# Altium PCB PCB3.PcbDoc (part 3 of 5) (continued)
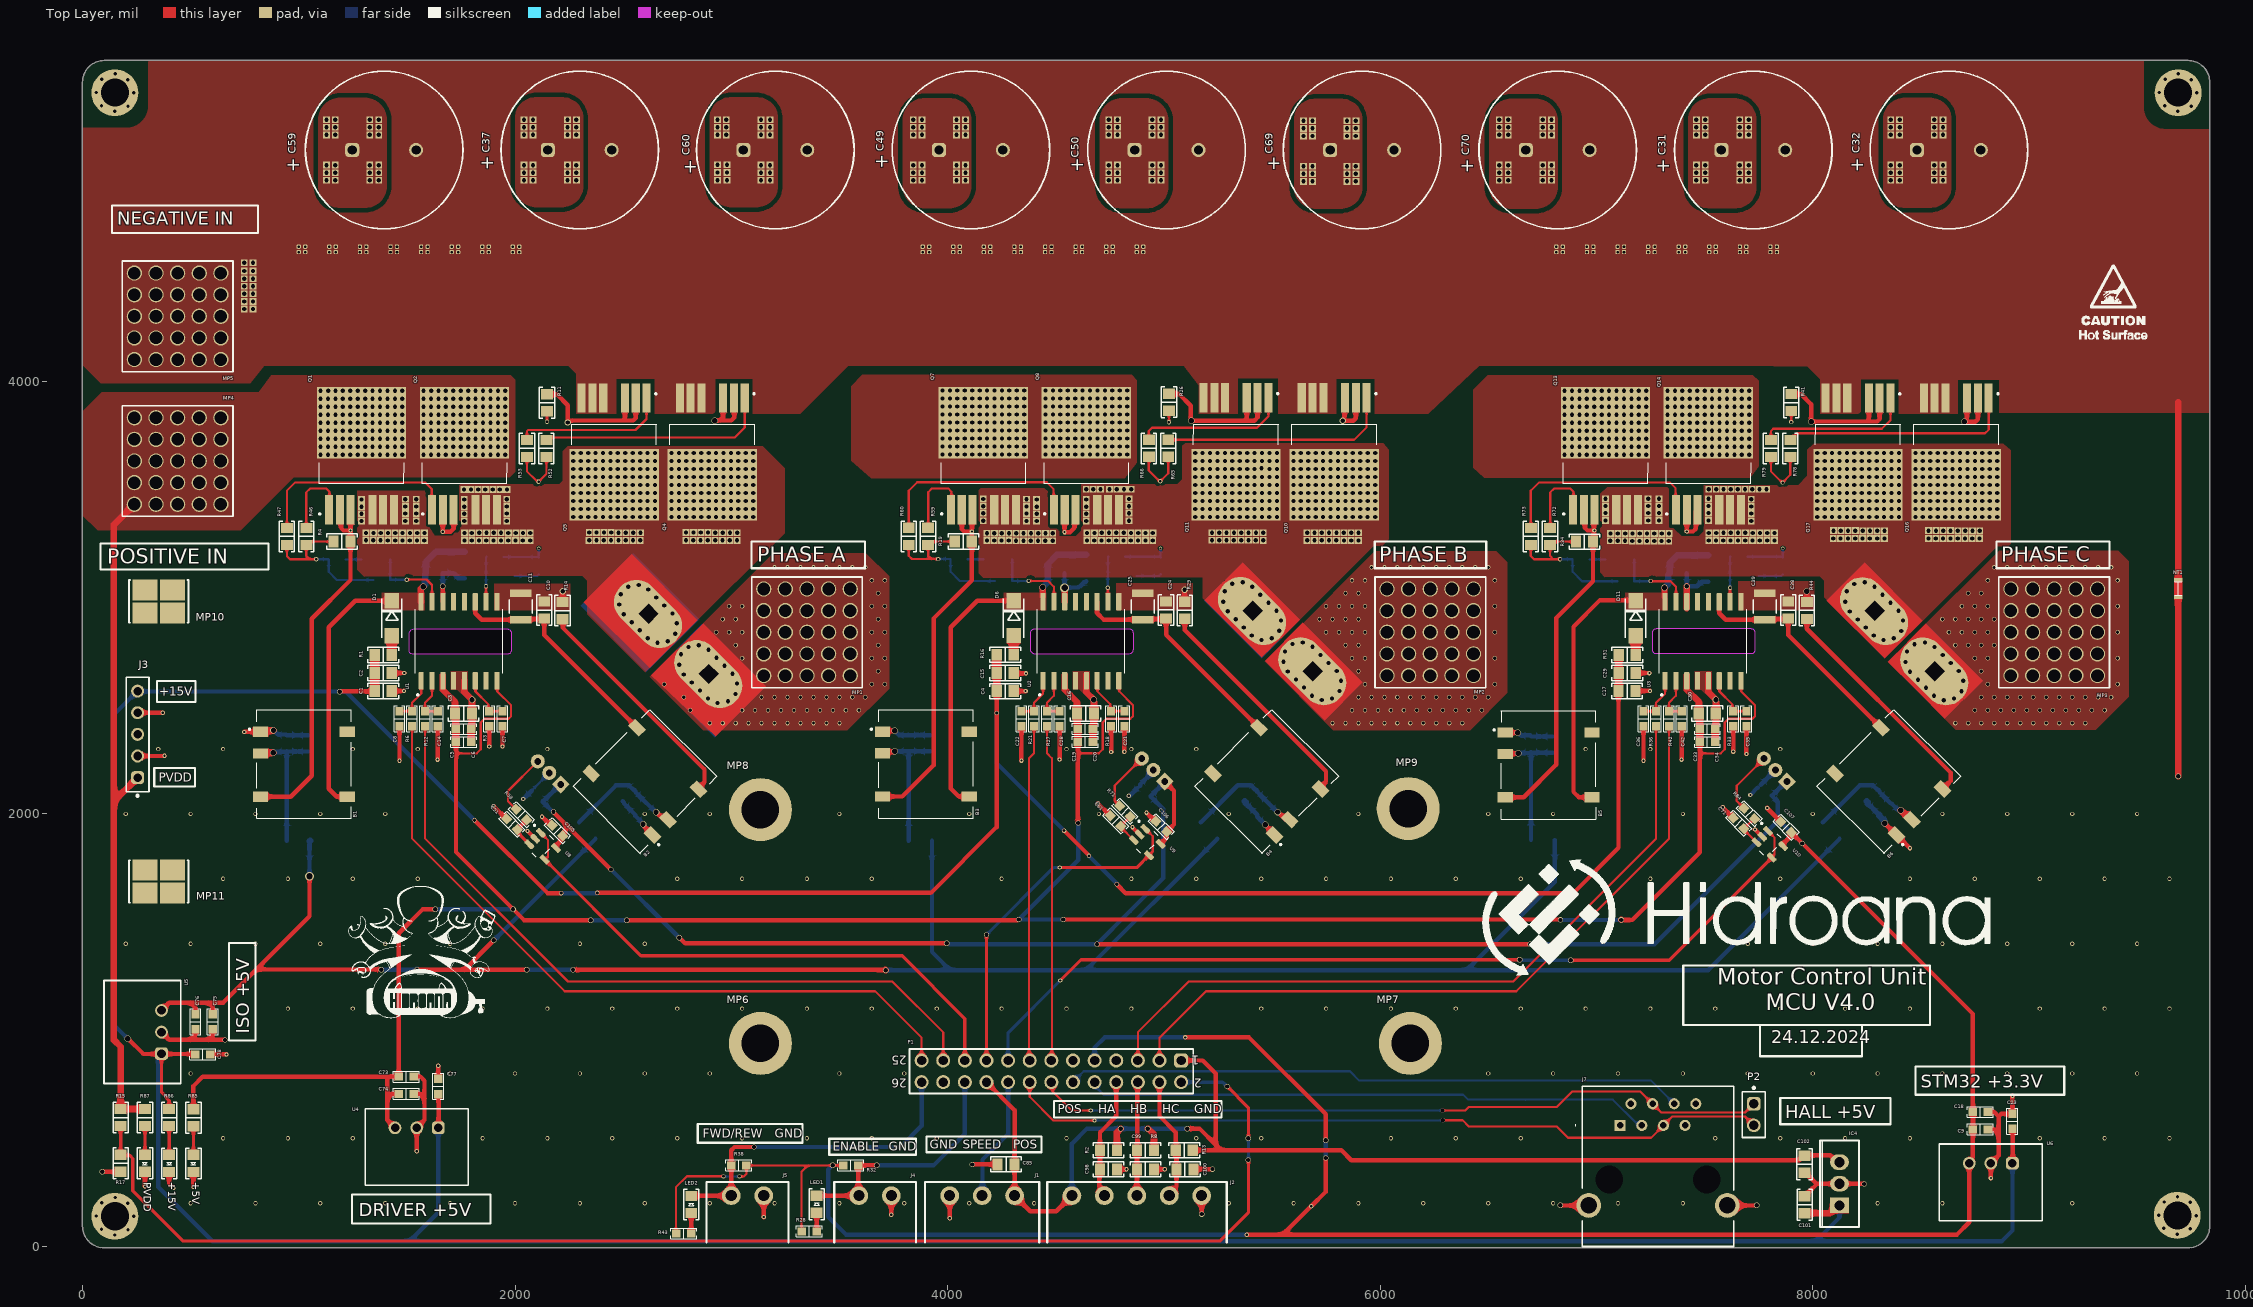
[diagram p0: Top Layer view]
## Nets (pads, with @x,y where several pads share a name; then routed paths per layer and width w, separated by ;. In a path a pad name is that pad's centre, name@x,y a point inside that pad or via, vN(x,y) a via of type N, cw(c..) or ccw(c..) an arc to the next point about the centre after c; other vN are vias at no path point) (continued)
CAN_H: J7.4 P1.14 P2.1 | length 3417.1
  Top Layer w10: P1.14@4480,760 4485.57,754.43 4485.57,718.43 4575,629 v3(4662,629) ; v9(6288,629) 6394,629 6410,645 6817,645 6889,717 7203,717 7300.71,619.29 7687.29,619.29 P2.1@7728,660
  Bottom Layer w10: v3(4662,629) v9(6288,629)
CAN_L: J7.5 P1.16 P2.2 | length 3550.4
  Top Layer w10: P1.16@4380,760 4380,692 4489,583 v3(4680,583) ; v9(6290,584) 6330.94,584 ; 6331.94,584 6381,584 ; 6381.71,583.29 6410,555 6817,555 6869,503 7253,503 J7.5@7310,560 7350.71,600.71 7687.29,600.71 P2.2@7728,560
  Bottom Layer w10: v3(4680,583) 6289,583 v9(6290,584)
COUT_A: C51.2 R58.2 U8.3 | length 154.8
  Top Layer w15: R58.2@2054.28,1972.72 2054.28,1972.22 2010.28,1928.22 2010.28,1915.82 U8.3@2066.62,1859.49
COUT_B: C61.2 R71.2 U9.3 | length 151.8
  Top Layer w10: R71.2@4844.75,1987.72 4801.75,1944.72 C61.2@4801.75,1943.25 4801.75,1938.36 U9.3@4861.62,1878.49
COUT_C: C71.2 R84.2 U10.3 | length 156
  Top Layer w10: R84.2@7731.82,1977.32 7727.57,1977.32 C71.2@7682.32,1932.07 7682.32,1926.78 U10.3@7740.62,1868.49
Current_Sense_A: P1.21 U8.1 U8.4 | length 2581.4
  Top Layer w10: U8.1@2119.51,1912.38 2153,1878.89 2153,1802.46 2140.16,1789.62 U8.4@2136.49,1789.62
  Top Layer w15: U8.4@2141.05,1785.05 2582.11,1344 3790,1344 4080,1054 P1.21@4080,860
Current_Sense_B: P1.19 U9.1 U9.4 | length 1629.8
  Top Layer w10: U9.1@4914.51,1931.38 4949,1896.89 4949,1826.12 U9.4@4931.49,1808.62
  Top Layer w15: P1.19@4180,860 v4(4180,1441) ; v3(4519,1752) 4874.88,1752 U9.4@4931.49,1808.62
  Bottom Layer w15: v4(4180,1441) 4491.9,1752.9 4518.1,1752.9 v3(4519,1752)
Current_Sense_C: P1.17 U10.1 U10.4 | length 4140.7
  Top Layer w10: U10.1@7793.51,1921.38 7824.27,1890.62 7824.27,1814.19 7810.49,1800.41 U10.4@7810.49,1798.62 U10.4@7811.55,1797.55
  Top Layer w15: v3(4521,1230) 4617,1326 v4(6645,1326) ; v4(6882,1323) 7337,1323 U10.4@7811.55,1797.55
  Bottom Layer w15: P1.17@4280,860 4280,989 v3(4521,1230) ; v4(6645,1326) 6646.27,1326 6649.27,1323 v4(6882,1323)
ENABLE: J4.1 LED1.2 P1.22 R32.1 | length 1130.1
  Top Layer w20: LED1.2@3395,235 J4.1@3590,235 3587.5,237.5 3587.5,372.5 R32.1@3585,375 ; R32.1@3587,375 v4(3672,375)
  Bottom Layer w20: v4(3672,375) 3935,375 4080,520 P1.22@4080,760
FWD/REV: J5.1 LED2.2 P1.26 R38.1 | length 1524.3
  Top Layer w20: LED2.2@2815,233.74 2815.63,234.37 2999.37,234.37 J5.1@3000,235 3000,380 3000,445 3015,460 v4(3105,460)
  Bottom Layer w20: v4(3105,460) 3782,460 3880,558 P1.26@3880,760
GND: +5V.2 +15V.2 B1.1 B2.1 B3.1 B4.1 B5.1 B6.1 C1.1 C2.1 C3.1 C4.1 C5.1 C6.1 C7.2 C8.1 C9.1 C14.1 C15.1 C16.1 C17.1 C18.1 C19.1 C20.1 C21.2 C22.1 C23.1 C28.1 C29.1 C30.1 C33.1 C34.1 C35.2 C36.1 C42.1 C51.1 C52.2 C61.1 C62.2 C71.1 C72.2 C73.1 C74.1 C75.1 C76.1 C77.1 C78.1 C85.1 C86.1 C87.1 C88.1 C89.1 C90.1 C91.1 C92.1 C93.1 C94.1 C95.1 C96.1 C97.1 C98.1 C99.1 C100.1 C101.1 C102.1 C105.2 C106.2 C107.2 IC1.2 IC2.2 IC3.2 IC4.2 J1.1 J2.5 J3.2 J3.4 J4.2 J5.2 J7.MH3 J7.MH4 NT1.2 P1.7 P1.11 P1.24 PVDD.2 R3.2 R17.2 R18.2 R33.2 U1.4 U1.5 U2.4 U2.5 U3.4 U3.5 U4.2 U5.2 U6.2 U8.2 U9.2 U10.2 | length 9771.1
  Top Layer w20: v4(92,346) 92.39,345.61 176.15,345.61 R17.2@176.54,345.22 ; J3.4@255,2268 378,2268 v3(379,2269) ; J3.2@255,2468 v3(371,2468) ; PVDD.2@288.7,345.22 288.7,278.3 v3(289,278) ; U5.2@365.5,991.46 401.58,955.37 500.44,955.37 ; +15V.2@400.85,345.12 400.85,291.15 v3(421,271) ; v3(513,275) +5V.2@513,345.12 ; C76.1@522.44,1008.37 C76.1@522.44,1004.54 522.44,977.37 500.44,955.37 ; C78.1@591.46,888.54 665.46,888.54 v3(666,888) ; C75.1@602.44,1004.54 602.44,975.54 582.27,955.37 ; v4(659,955) 658.63,955.37 582.27,955.37 ; v3(748,2379) 749,2380 B1.1@823.36,2380 ; C1.1@1430.32,2568.46 1486.46,2568.46 v3(1487,2569) ; C2.1@1430.32,2651.46 1487.46,2651.46 v3(1488,2652) ; v3(1466,2246) C8.1@1466,2405 ; C74.1@1528.43,705.58 C74.1@1532.26,705.58 1559.43,705.58 1581.43,683.58 ; C73.1@1528.43,785.58 C73.1@1532.26,785.58 1562.43,785.58 1581.43,766.58 1581.43,683.58 ; v3(1545.35,440.37) U4.2@1545.35,548.64 1581.43,584.72 1581.43,683.58 ; v3(1642,2251) 1643,2252 C14.1@1643,2405 ; C77.1@1645,775 v3(1645,836) ; v3(1881,2312) R3.2@1881,2405 ; v3(1901,2037) C51.1@1960.79,1977.21 ; v3(1942,2312) C7.2@1942,2405 ; v3(2058,1921) U8.2@2093.06,1885.94 ; v3(2125,1987) 2164.25,1947.75 C105.2@2171.25,1947.75 ; v6(2592,1952) 2593.91,1950.09 2593.91,1945.09 2636.29,1902.71 B2.1@2636.29,1902.29 ; v3(3150,136) J5.2@3150,235 ; B3.1@3702.85,2384.5 v6(3755.64,2384.5) ; v3(3740,147) J4.2@3740,235 ; v3(4010,131) J1.1@4010,235 ; v4(4114,379) 4115,380 C85.1@4231.26,380 ; C15.1@4305.82,2651.96 4307.78,2650 v3(4363,2650) ; C16.1@4306.23,2567.69 4360.69,2567.69 v3(4361,2568) ; v3(4341.5,2246.5) C22.1@4341.5,2405.5 ; v3@4518.5,2252.5 C28.1@4518.5,2405.5 ; v3(4696,2049) C61.1@4752.25,1992.75 ; v3(4756.5,2286.5) R18.2@4756.5,2405.5 ; C98.1@4783.32,357 v3(4827,357) ; v3(4817.5,2287.5) C21.2@4817.5,2405.5 ; v3(4855,1939) 4855,1938 U9.2@4888.06,1904.94 ; v3(4920,2006) C106.2@4959.25,1966.75 ; C99.1@4954.37,357 v3(5004,357) ; C100.1@5136.95,357 5137.45,357.5 5224.5,357.5 v4(5225,358) ; v4(5175,150) J2.5@5175,235 ; v6(5469,1950) 5469,1947.79 5510.21,1906.58 B4.1@5510.21,1902.79 ; B6.1@6578.21,2377 6579.21,2376 6636,2376 v6(6637,2375) ; v4(6833,190) 6833.08,189.92 J7.MH3@6965.12,189.92 ; C30.1@7181.37,2569 v3(7248,2569) ; C29.1@7182.05,2651.46 7244.54,2651.46 v3(7245,2651) ; v3(7217.72,2246) C36.1@7217.72,2405 ; v3@7394.72,2252 C42.1@7394.72,2405 ; v3(7584,2031) 7584,2030.39 C71.1@7632.82,1981.57 ; J7.MH4@7604.88,189.92 7739.92,189.92 v4(7741,191) ; R33.2@7632.72,2405 7632.72,2288.28 v3(7633,2288) ; C35.2@7693.72,2405 7693.72,2277.28 v3(7694,2277) ; v3(7733,1928) 7734,1928 U10.2@7767.06,1894.94 ; v3(7790,2028) 7790,2026 C107.2@7859.46,1956.54 ; C102.1@7963,340.63 7966.94,340.63 8017.57,290 ; C101.1@7966.94,232.74 7980.56,246.36 7980.56,250.3 8017.57,287.31 8017.57,290 ; v4(8238,289) 8237,290 IC4.2@8124,290 8017.57,290 ; v6(8333.72,1957) B5.1@8388.01,1902.71 8448.72,1842 v3(8450,1842) ; C9.1@8807,541.86 C9.1@8810.83,541.86 8838,541.86 8860,519.86 ; C18.1@8810.83,621.86 8839.83,621.86 8860,601.69 ; v3(8823.91,316.02) U6.2@8823.91,384.91 8860,421 8860,519.86 ; v3(8924,697) 8923.6,696.6 C23.1@8923.6,613.33 8871.65,613.33 8860,601.69 ; 500.44,955.37 582.27,955.37 ; 8860,519.86 8860,601.69
  Top Layer w30: B1.1@823.36,2380 828.31,2384.95 881.1,2384.95 v6(883.14,2387) ; U1.5@1766.23,2615.86 1766.23,2562.77 v6(1801.37,2527.63) C3.1@1801.37,2464 1801.37,2396.7 1797.67,2393 C5.1@1797,2393 C6.1@1797,2333 ; B3.1@3695.85,2377.5 B3.1@3698.85,2380.5 B3.1@3702.85,2384.5 ; U2.5@4641.73,2643.5 4641.73,2563.27 v6(4676.87,2528.13) 4676.87,2397.2 4673.17,2393.5 C19.1@4672.5,2393.5 C20.1@4672.5,2333.5 ; U3.5@7517.96,2643 7517.96,2562.77 v6(7553.09,2527.63) 7553.09,2396.7 7549.39,2393 C33.1@7548.72,2393 C34.1@7548.72,2333 ; v4(9690,2174) NT1.2@9690,3003.26
  Bottom Layer w10: C52.2@2076.72,2108.28 IC1.2@2158.43,2189.98
  Bottom Layer w20: v6(883.14,2387) 903.02,2367.12 942.43,2367.12 C87.1@945.14,2364.4 945.64,2363.9 1043.64,2363.9 C86.1@1044.14,2363.4 ; v3(2038,2069) 2038.5,2069 C52.2@2077.25,2107.75 ; C89.1@2498.55,2058.55 2504.12,2052.99 2504.12,2047.99 C88.1@2556.55,1995.55 2556.55,1990.15 2592,1954.71 v6(2592,1952) ; v6(3755.64,2384.5) 3775.52,2364.62 C91.1@3814.93,2364.62 ; C91.1@3817.93,2367.62 C91.1@3820.64,2364.9 3821.14,2364.4 3919.14,2364.4 C90.1@3919.64,2363.9 ; v3(4838,2084) 4842,2084 C62.2@4877.6,2119.6 ; C62.2@4890.25,2129.75 4890.25,2135.98 4951.34,2197.07 IC2.2@4951.34,2203.3 ; C93.1@5379.62,2048.49 C92.1@5432.05,1996.05 5432.05,1986.95 v6(5469,1950) ; v6(6637,2375) 6639.71,2375 6651.32,2363.39 6694.28,2363.39 C96.1@6696.87,2360.8 6699.33,2358.33 C97.1@6797.33,2358.33 ; v3(7712,2088) 7745.69,2121.69 ; C72.2@7760.25,2134.75 7760.25,2135.12 7827.56,2202.43 IC3.2@7827.56,2202.8 ; C94.1@8255.84,2047.98 C95.1@8308.28,1995.55
  Bottom Layer w30: C93.1@5374.05,2059.05 5379.62,2053.49 C93.1@5379.62,2048.49 ; C94.1@8250.28,2058.55 8255.84,2052.98 C94.1@8255.84,2047.98 ; C95.1@8308.28,1995.55 8308.28,1991.71 8332.72,1967.26 8332.72,1957 v6@8332.72,1956
  other v2: 500,200 800,200 1100,200 1400,200 1700,200 2000,200 2300,200 2600,200 2900,200 3200,200 3500,200 3800,200 4100,200 4400,200 5300,200 5600,200 5900,200 6200,200 6500,200 6800,200 7100,200 7400,200 8300,200 8600,200 9200,200 650,500 950,500 1250,500 1850,500 2150,500 2450,500 2750,500 3050,500 3350,500 3650,500 3950,500 4550,500 5150,500 5450,500 6050,500 6350,500 6650,500 7550,500 7850,500 8150,500 8450,500 9050,500 9350,500 9650,500 500,800 1700,800 2000,800 2300,800 2600,800 2900,800 3500,800 3800,800 6500,800 6800,800 7100,800 7400,800 7700,800 8000,800 8300,800 8600,800 8900,800 9200,800 9500,800 950,1100 1250,1100 1550,1100 1850,1100 2150,1100 2450,1100 2750,1100 3050,1100 3350,1100 3650,1100 3950,1100 4250,1100 4550,1100 4850,1100 5450,1100 5750,1100 6050,1100 6350,1100 6650,1100 6950,1100 7250,1100 7550,1100 7850,1100 8150,1100 8450,1100 9050,1100 9350,1100 9650,1100 200,1400 500,1400 800,1400 1100,1400 1400,1400 1700,1400 2300,1400 2600,1400 7700,1400 8000,1400 8300,1400 8600,1400 8900,1400 9200,1400 9500,1400 650,1700 950,1700 1250,1700 1550,1700 2750,1700 3050,1700 3350,1700 3650,1700 4250,1700 4850,1700 5150,1700 5450,1700 5750,1700 6050,1700 6350,1700 6650,1700 7250,1700 7850,1700 8450,1700 8750,1700 9050,1700 9350,1700 9650,1700 200,2000 500,2000 800,2000 1100,2000 1400,2000 2600,2000 2900,2000 3500,2000 4100,2000 4700,2000 5300,2000 5900,2000 6500,2000 6800,2000 7400,2000 8000,2000 8600,2000 8900,2000 9200,2000 9500,2000 350,2300 650,2300 1250,2300 1550,2300 2150,2300 4550,2300 4850,2300 5150,2300 6950,2300 7250,2300 7850,2300
  other v3: 7393.72,2251 4517.5,2251.5
HA: C98.2 J2.2 P1.8 R2.2 | length 565.9
  Top Layer w20: C98.2@4701.79,359 4701.79,276.23 4725,253.03 J2.2@4725,235 ; C98.2@4704.58,359 R2.2@4704.58,445.14 4704.58,527.52 4780,602.94 P1.8@4780,760
HB: C99.2 J2.3 P1.6 R8.2 | length 527.1
  Top Layer w20: J2.3@4875,235 4875.31,235.32 4875.31,356.68 C99.2@4875.63,357 4875.63,443.14 4877.81,445.33 4877.81,757.82 P1.6@4880,760
HC: C100.2 J2.4 P1.4 R13.2 | length 567
  Top Layer w20: P1.4@4980,760 4980,602.94 5055.42,527.52 R13.2@5055.42,445.14 5058.21,442.35 C100.2@5058.21,357 5058.21,276.23 5035,253.03 J2.4@5035,235
ISO_5V: C75.2 C76.2 L2.1 L3.1 L4.1 L5.1 L6.1 L7.1 U5.3 | length 12031.4
  Top Layer w20: U5.3@365.5,1091.46 401.58,1127.54 500.44,1127.54 ; C76.2@522.44,1074.54 522.44,1105.54 500.44,1127.54 ; C75.2@602.44,1075.53 602.44,1108.54 583.44,1127.54 ; v10(1050,1712) 1050,1527 804,1281 ; v4(1381,1280) 1380,1281 804,1281 ; v4(1547,1279) 1765,1279 ; v4(1902,1416) 1765,1279 ; v4(2055,1279) 1765,1279 ; v4(2268,1279) v4@3713,1279 ; 500.44,1127.54 583.44,1127.54 ; 583.44,1127.54 650.54,1127.54 804,1281
  Top Layer w30: v4@3713,1279 v4(3714,1278)
  Int1 (GND) w30: v4(1381,1280) v4@1382,1279
  Bottom Layer w20: v10(1050,1712) L2.1@1050,1873.72 ; v4@1382,1279 1382.04,1279.04 1385.49,1279.04 1385.54,1279 v4(1547,1279) ; v4(1902,1416) 1903.56,1416 L3.1@2372.28,1884.72 ; v4(2055,1279) v4(2268,1279) ; v4(3714,1278) 4012,1278 ; L4.1@3927.78,1876.5 3927.78,1362.22 4012,1278 ; L5.1@5247.78,1885.22 4640.56,1278 ; L7.1@6807.7,1879.57 6808,1879.27 6808,1685 6401,1278 ; L6.1@8124,1884.72 7517.28,1278 6401,1278 ; 4012,1278 4640.56,1278 ; 4640.56,1278 6401,1278
  Bottom Layer w30: L2.1@1050,1873.72 L2.1@1052.28,1876 ; v4@1546,1280 v4(1547,1279)
ISO_+12_A_H: B1.5 C12.1 C13.2 D1.K U1.16 | length 1582.3
  Top Layer w20: B1.5@1224.93,2080 1176,2080 1139,2117 1139,2863 1261.71,2985.71 D1.K@1430,2985.71
  Top Layer w30: U1.16@1566.23,2981.22 1565.12,2982.34 1565.12,3041.12 v6(1575,3051)
  Bottom Layer w30: v6(1575,3051) 1584.9,3060.9 1584.9,3110.27 C12.1@1587.63,3113 1587.63,3164.63 1635.02,3212.02 C13.2@1768,3212.02
ISO_+12_A_L: B2.5 C10.1 C11.2 U1.11 | length 1070.2
  Top Layer w20: U1.11@1816.23,2981.22 1816.23,2927.77 1846.02,2897.98 C11.2@2027,2897.98 2029.83,2900.8 2132.49,2900.8 C10.1@2135.32,2903.63 2135.32,2827.53 B2.5@2564.47,2398.38
ISO_+12_B_H: B3.5 C26.1 C27.2 D6.K U2.16 | length 1543.1
  Top Layer w20: B3.5@4100.43,2080.5 4051.5,2080.5 4014.5,2117.5 4014.5,2863.5 4137.21,2986.21 D6.K@4305.5,2986.21
  Top Layer w30: U2.16@4440.19,3007.27 v6(4440.19,3047.5)
  Bottom Layer w30: v6(4440.19,3047.5) 4440.19,3048 4463.13,3070.94 C26.1@4463.13,3113.5 4463.13,3155.13 4506.02,3198.02 C27.2@4642,3198.02
ISO_+12_B_L: B4.5 C24.1 C25.2 U2.11 | length 1070.2
  Top Layer w20: U2.11@4691.73,2981.72 4691.73,2928.27 4721.52,2898.48 C25.2@4902.5,2898.48 4905.33,2901.3 5007.99,2901.3 C24.1@5010.82,2904.13 5010.81,2828.03 B4.5@5439.97,2398.88
ISO_+12_C_H: B6.5 C40.1 C41.2 D11.K U3.16 | length 1565.5
  Top Layer w10: D11.K@7181.72,2985.71 D11.K@7186.21,2981.22
  Top Layer w20: B6.5@6979.79,2077 6919,2077 6893.86,2102.14 6893.86,2866 7016.57,2988.71 D11.K@7184.86,2988.71
  Top Layer w30: U3.16@7315,3006.77 v6(7315,3046)
  Bottom Layer w30: v6(7315,3046) 7333.27,3064.27 7333.27,3106.91 C40.1@7339.35,3113 7339.35,3160.35 7375.02,3196.02 C41.2@7518,3196.02
ISO_+12_C_L: B5.5 C38.1 C39.2 U3.11 | length 1070.2
  Top Layer w20: U3.11@7567.96,2981.22 7567.96,2927.77 7597.75,2897.98 C39.2@7778.72,2897.98 7781.55,2900.8 7884.21,2900.8 C38.1@7887.04,2903.63 7887.04,2827.53 B5.5@8316.19,2398.38
ISO_-12_A_L: B2.4 R14.1 | length 1069.8
  Top Layer w20: R14.1@2221.32,2901.63 2222.28,2900.67 2222.28,2859.72 2876,2206 2876,2146.11 2848.42,2118.53 B2.4@2848.42,2114.42
ISO_-12_B_L: B4.4 R29.1 | length 1068.5
  Top Layer w20: R29.1@5096.82,2902.13 5096.82,2850.73 5749.86,2197.69 5749.86,2148.25 5723.92,2122.31 B4.4@5723.92,2114.92
ISO_-12_C_L: B5.4 R44.1 | length 1077.9
  Top Layer w20: R44.1@7973.04,2901.63 7973.04,2855.96 8638,2191 8638,2152.7 B5.4@8600.15,2114.84
"kelvin 1": B1.4 C12.2 C13.1 Q1.2 Q1.3 Q2.2 Q2.3 R4.1 U1.14 | length 3070.7
  Top Layer w20: B1.4@823.36,2080 963,2080 1060,2177 1060,2903 1239.37,3082.37 R4.1@1239.37,3260 1239.37,3310.63 v3(1239,3311) ; Q1.2@1190.27,3406.84 1195.19,3401.93 1195.19,3322.72 1206.9,3311 v3(1239,3311) ; Q1.3@1239.37,3405.94 1239.37,3311.37 v3(1239,3311) ; U1.14@1666.23,2981.22 v4(1666.23,3053) ; Q2.2@1666.48,3406.84 1666,3406.37 1666,3307.15 v3(1666,3305) 1702,3305 1716.48,3319.48 Q2.3@1716.48,3406.84
  Int1 (GND) w20: v3(1239,3311) 1239,3177.37 1292.37,3124 1595.23,3124 v4(1666.23,3053) 1666.23,3304.77 v3(1666,3305)
  Bottom Layer w20: v4(1666.23,3053) 1666.3,3053.07 1666.3,3112.93 C12.2@1666.37,3113 1717.07,3113 1728.79,3101.28 1728.79,3097.69 1736.5,3089.98 C13.1@1768,3089.98
"kelvin 2": C10.2 C11.1 Q4.2 Q4.3 Q5.2 Q5.3 R11.2 R14.2 U1.9 | length 2541.2
  Top Layer w20: R11.2@2148,3941 2148.84,3940.16 2193.84,3940.16 2244,3890 2244,3819 v7(2244,3810) 2246.71,3810 2255.71,3819 2496.39,3819 ; R14.2@2220,2979.37 2220.5,2979.87 2220.5,3028.5 v7(2221,3029) ; Q5.3@2508.11,3923.15 2508.11,3830.72 2496.39,3819 ; Q5.2@2558.11,3923.15 2558.11,3830.72 2546.39,3819 2496.39,3819 ; v6(2923,3819) 2950.56,3819 ; Q4.3@2962.27,3923.15 2962.27,3830.72 2950.56,3819 ; Q4.2@3012.27,3923.15 3014,3921.42 3014,3833 3000,3819 2950.56,3819
  Int1 (GND) w20: v7(2221,3029) 2221,3787 v7(2244,3810) 2911.29,3810 2920.29,3819 v6(2923,3819)
"kelvin 3": B3.4 C26.2 C27.1 Q7.2 Q7.3 Q8.2 Q8.3 R19.1 U2.14 | length 3051.4
  Top Layer w20: B3.4@3698.85,2080.5 3790.5,2080.5 3935.5,2225.5 3935.5,2903.5 4112.37,3080.37 R19.1@4112.37,3260 v3(4112.37,3306.22) 4077.49,3306.22 4065.77,3317.94 Q7.2@4065.77,3407.34 ; v3@4112.37,3311.53 4112.37,3403.94 Q7.3@4115.77,3407.34 ; Q8.2@4541.98,3407.34 4541,3406.37 v3(4541,3303) 4566,3303 4586.64,3323.64 4586.64,3402.01 Q8.3@4591.98,3407.34
  Top Layer w30: v11(4541,3045) 4541.37,3044.63 4541.37,2982.09 U2.14@4541.73,2981.72
  Int1 (GND) w20: v3(4112.37,3306.22) 4112.37,3172.23 4167.87,3116.73 4470.73,3116.73 v11@4541,3046.47 ; v11(4541,3045) v11@4541,3046.47 ; v3(4541,3303) v11@4541,3046.47
  Bottom Layer w20: C26.2@4541,3112.63 v11(4541,3045) 4542.91,3046.91 4605.62,3046.91 4630.43,3071.73 4637.75,3071.73 C27.1@4642,3075.98
"kelvin 4": C24.2 C25.1 Q10.2 Q10.3 Q11.2 Q11.3 R26.2 R29.2 U2.9 | length 2528.6
  Top Layer w20: R26.2@5024,3943.37 5025.68,3941.69 5069.84,3941.69 5124.09,3887.44 5124.09,3819.91 v6(5126,3818) 5371,3818 ; v7(5096,3037) 5096.41,3036.59 5096.41,2981.28 R29.2@5096.82,2980.87 ; Q11.3@5383.61,3923.65 5383.61,3830.61 5371,3818 ; Q11.2@5433.61,3923.65 5433.61,3833.61 5418,3818 5371,3818 ; Q10.3@5837.77,3923.65 5835.73,3921.61 5835.73,3825.73 v7(5828,3818) 5876.06,3818 5887.77,3829.72 Q10.2@5887.77,3923.65
  Int1 (GND) w20: v7(5096,3037) 5096,3785.29 5126,3815.29 v6(5126,3818) v7(5828,3818)
"kelvin 5": B6.4 C40.2 C41.1 Q13.2 Q13.3 Q14.2 Q14.3 R34.1 U3.14 | length 3058.5
  Top Layer w20: B6.4@6578.21,2077 6663.86,2077 6814.86,2228 6814.86,2906 6984.37,3075.51 R34.1@6984.37,3259 6988.18,3262.81 v3@6988.18,3311 ; Q13.2@6942,3406.84 6946.91,3401.93 6946.91,3322.72 6958.63,3311 v3(6990.72,3311) ; v3@6988.18,3311.44 6988.18,3403.03 Q13.3@6992,3406.84 ; Q14.2@7418.2,3406.84 7418,3406.64 v3(7418,3306) 7446.4,3306 7459.5,3319.1 7459.5,3398.14 Q14.3@7468.2,3406.84
  Top Layer w30: U3.14@7417.96,2952 v4(7417.96,3053)
  Int1 (GND) w20: v3(6990.72,3311) 6990.72,3177.37 7044.09,3124 7346.96,3124 v4(7417.96,3053) ; v4@7417.59,3054.84 7418,3055.24 v3(7418,3306)
  Bottom Layer w20: C40.2@7418.09,3113 7418.03,3112.93 7418.03,3053.07 v4(7417.96,3053) 7465.53,3053 7486.5,3073.98 C41.1@7518,3073.98
"kelvin 6": C38.2 C39.1 Q16.2 Q16.3 Q17.2 Q17.3 R41.2 R44.2 U3.9 | length 2554.9
  Top Layer w20: R41.2@7901,3941.37 7901.77,3940.6 7946.84,3940.6 7993,3894.45 v6(7993,3814) 7994,3815 8250,3815 ; v6(7973,3029) R44.2@7973.04,2980.37 R44.2@7973.11,2980.3 ; Q17.3@8259.83,3923.15 8259.83,3824.83 8250,3815 ; Q17.2@8309.83,3923.15 8309.83,3826.72 8298.12,3815 8250,3815 ; Q16.3@8714,3923.15 8713.23,3922.38 8713.23,3825.23 v6(8701,3813) 8752.28,3813 8764,3824.72 Q16.2@8764,3923.15
  Int1 (GND) w20: v6(7973,3029) 7973,3791.29 7993,3811.29 v6(7993,3814) 7993.5,3813.5 8700.5,3813.5 v6(8701,3813)
Net+5V_1: +5V.1 R85.2 | length 131.8
  Top Layer w15: +5V.1@513,423.86 R85.2@513,555.63
Net+15V_1: +15V.1 R86.2 | length 133
  Top Layer w15: +15V.1@400.85,423.86 R86.2@400.85,556.9
NetB1_2: B1.2 C86.2 C87.2 L2.2 | length 638.4
  Top Layer w30: B1.2@823.36,2280 826.36,2283 v6(882.14,2283)
  Bottom Layer w20: v6(882.14,2283) 886.02,2286.88 942.43,2286.88 C87.2@944.58,2289.03 ; L2.2@944.01,1876 944.58,1876.57 C87.2@944.58,2289.03 ; C86.2@1044.14,2288.6 1043.64,2289.1 945.64,2289.1 C87.2@945.14,2289.6 C87.2@944.58,2289.03
NetB2_2: B2.2 C88.2 C89.2 L3.2 | length 550.8
  Top Layer w20: v6(2652,2008) 2654.71,2008 2689.71,1973 B2.2@2700,1973
  Top Layer w30: B2.2@2700,1973 B2.2@2707,1973
  Bottom Layer w20: L3.2@2295.72,1961.28 2466.44,2132 2527.05,2132 2547.61,2111.45 C89.2@2551.45,2111.45 2557.01,2105.88 2557.01,2100.88 C88.2@2609.45,2048.45 2610.5,2048.45 2650.95,2008 v6(2652,2008)
NetB3_2: B3.2 C90.2 C91.2 L4.2 | length 638.4
  Top Layer w20: B3.2@3698.85,2280.5 3705.44,2287.09 3754.09,2287.09 v6(3756,2289)
  Bottom Layer w20: v6(3756,2289) 3756.55,2289.55 C91.2@3820.09,2289.55 ; L4.2@3819.51,1876.5 3820.08,1877.07 C91.2@3820.08,2289.53 ; C90.2@3919.64,2289.1 3919.14,2289.6 3821.14,2289.6 C91.2@3820.64,2290.1 C91.2@3820.09,2289.55
NetB4_2: B4.2 C92.2 C93.2 L5.2 | length 543.8
  Top Layer w20: v6(5526,2009) 5528.71,2009 5564.21,1973.5 B4.2@5575.5,1973.5
  Bottom Layer w20: L5.2@5171.22,1961.78 5341.94,2132.5 5402.55,2132.5 5423.11,2111.95 C93.2@5426.95,2111.95 5432.51,2106.38 5432.51,2101.38 C92.2@5484.95,2048.95 5485.5,2048.95 5525.45,2009 v6(5526,2009)
NetB5_2: B5.2 C94.2 C95.2 L6.2 | length 550.8
  Top Layer w30: v6(8407.72,2017) 8451.72,1973 B5.2@8458.72,1973
  Bottom Layer w20: L6.2@8047.45,1961.28 8218.17,2132 8278.78,2132 8299.33,2111.45 C94.2@8303.17,2111.45 8308.74,2105.88 8308.74,2100.88 C95.2@8361.17,2048.45 8365.01,2048.45 8396.46,2017 v6(8407.72,2017)
NetB6_2: B6.2 C96.2 C97.2 L7.2 | length 627.6
  Top Layer w20: B6.2@6578.21,2277 6579.71,2278.5 6637.5,2278.5 v6(6639,2280)
  Bottom Layer w20: v6(6639,2280) 6640.91,2281.91 6692.78,2281.91 C96.2@6696.87,2286 C96.2@6697.78,2285.09 ; L7.2@6697.78,1881.22 C96.2@6697.78,2285.09 ; C97.2@6797.09,2283.28 6699.58,2283.28 C96.2@6697.78,2285.09
NetC7_1: C7.1 R3.1 U1.6 | length 227
  Top Layer w10: U1.6@1816.23,2615.86 1817.37,2614.73 1817.37,2566.17 1877,2506.54 R3.1@1877,2475 ; R3.1@1881,2475 C7.1@1942,2475
NetC8_2: C8.2 R6.2 U1.1 | length 216.4
  Top Layer w10: C8.2@1466,2475 R6.2@1524,2475 1524,2514 1566.23,2556.23 U1.1@1566.23,2615.86
NetC14_2: C14.2 R12.2 U1.2 | length 219.8
  Top Layer w10: U1.2@1616,2622.55 1616,2546 1584,2514 R12.2@1584,2475 C14.2@1643,2475
NetC21_1: C21.1 R18.1 U2.6 | length 227
  Top Layer w10: U2.6@4691.73,2616.36 4692.87,2615.23 4692.87,2566.67 4752.5,2507.04 R18.1@4752.5,2475.5 ; R18.1@4756.5,2475.5 C21.1@4817.5,2475.5
NetC22_2: C22.2 R21.2 U2.1 | length 216.4
  Top Layer w10: C22.2@4341.5,2475.5 R21.2@4399.5,2475.5 4399.5,2514.5 4441.73,2556.73 U2.1@4441.73,2616.36
NetC28_2: C28.2 R27.2 U2.2 | length 219.8
  Top Layer w10: U2.2@4491.5,2623.05 4491.5,2546.5 4459.5,2514.5 R27.2@4459.5,2475.5 C28.2@4518.5,2475.5
NetC35_1: C35.1 R33.1 U3.6 | length 227
  Top Layer w10: U3.6@7567.96,2615.86 7569.09,2614.73 7569.09,2566.17 7628.72,2506.54 R33.1@7628.72,2475 ; R33.1@7632.72,2475 C35.1@7693.72,2475
NetC36_2: C36.2 R36.2 U3.1 | length 216.4
  Top Layer w10: C36.2@7217.72,2475 R36.2@7275.72,2475 7275.72,2514 7317.96,2556.23 U3.1@7317.96,2615.86
NetC42_2: C42.2 R42.2 U3.2 | length 219.8
  Top Layer w10: U3.2@7367.72,2622.55 7367.72,2546 7335.72,2514 R42.2@7335.72,2475 C42.2@7394.72,2475
NetD1_A: D1.A R1.1 | length 88.6
  Top Layer w40: R1.1@1430,2735.78 1430.16,2735.94 1430.16,2824.13 D1.A@1430,2824.29
NetD3_A: D3.A R7.1 | length 73.5
  Bottom Layer w10: R7.1@1217.37,3177 D3.A@1290.86,3177
NetD3_C: D3.C R5.1 U1.15 | length 376.8
  Top Layer w10: v2(1499,3083) 1500,3084 1591,3084 1616.23,3058.77 U1.15@1616.23,2981.22
  Bottom Layer w10: D3.C@1423.14,3177 1423.37,3176.77 R5.1@1423.37,3082 1424.37,3083 v2(1499,3083)
NetD4_A: D4.A R10.1 | length 115
  Bottom Layer w10: D4.A@1998.14,3100 2102.37,3100 R10.1@2110,3107.63